# KiCad board Model K Pico-0.2.kicad_pcb (continued)
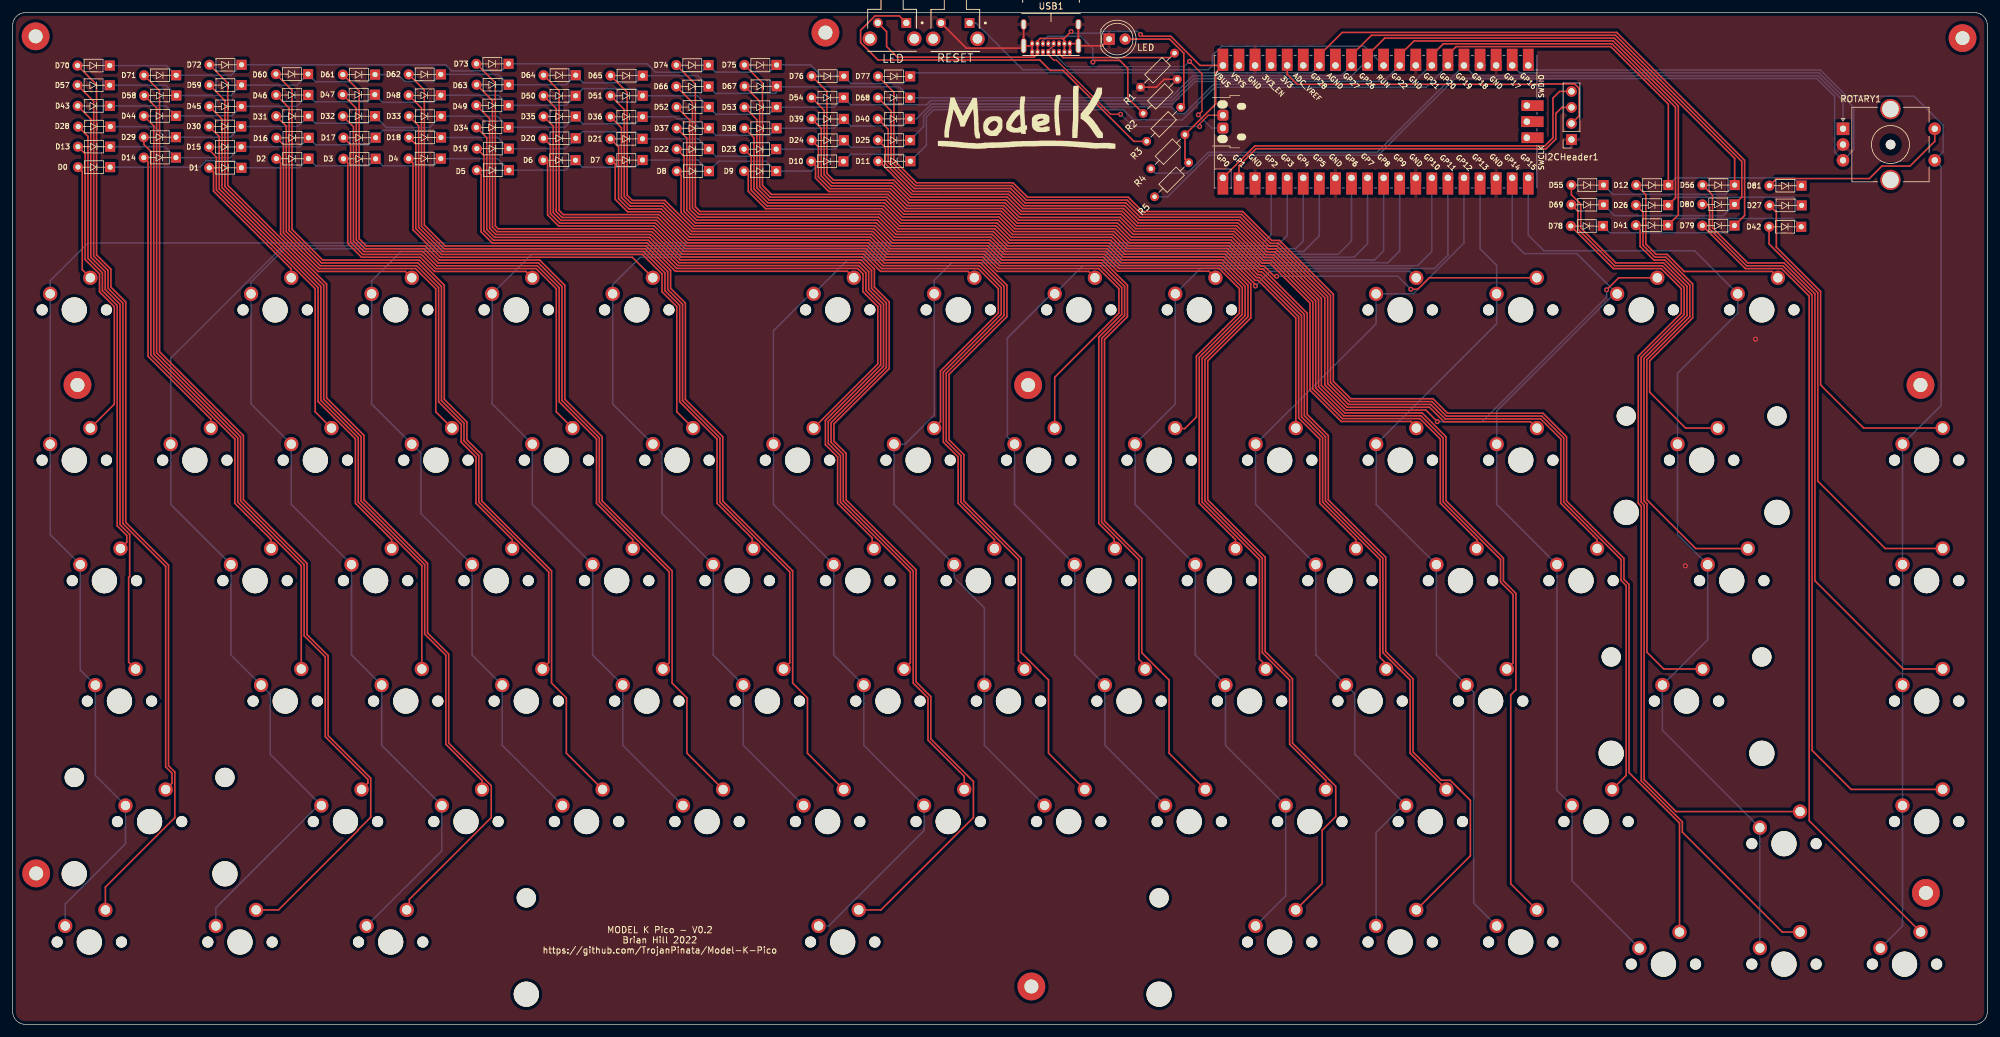
[diagram p0: board, top side]
## Nets (continued)
Net-(D78-Pad2): D78.2 SW-1U-78.2
Net-(D79-Pad2): D79.2 SW-1U-79.2
Net-(D80-Pad2): D80.2 SW-1U-80.2
Net-(PowerLED1-Pad2): LED.2 R3.2
Net-(R1-Pad2): R1.2 USB1.A5
Net-(R2-Pad1): R2.1 USB1.B5
Net-(R3-Pad1): R3.1 SW1.1

Pads without a net: NOREF 1; NOREF#2 1; NOREF#3 1; NOREF#4 1; NOREF#5 1; NOREF#6 1; NOREF#7 1; NOREF#8 1; REF** 1; ROTARY1 MP; RPI1 24 33 35 37 39 41 42 43; SW1 3 4; SW-BUTTON1 3 4; USB1 A8 B8

## Via types
v1: diameter 0.8, hole 0.4, Top to Bottom, 14 vias

## Routing (per net, layer and track width the routed paths; a pad name or vN(x,y) marks a point on that pad's centre or on a via; arc(x,y) is an arc through that point)
/3.3V: length 54.5
  Top w0.25: I2CHeader1.2 247.55,143.67 247.55,148.01 246.84,148.73 241.83,148.73 241.78,148.67 203.02,148.67 201.42,150.26 RPI1.36
GND: length 38.9
  Top w0.25: USB1.A12 161.12,155.1 USB1.B1 160.77,154.76 159.77,154.76 ; 159.77,154.76 159.77,158.14 ; 159.77,154.76 159.4,154.39 150.7,154.39 SW-BUTTON1.2 ; USB1.A1 USB1.B12 168.08,155.11 USB1.S1 ; R1.1 180.74,148.21 181.99,149.46 R2.2 ; USB1.S1 USB1.S1 ; USB1.S1 172.22,154.76 LED.1
  vias: v1(264.34,72.52) v1(275.44,108.36)
VCC: length 83.9
  Top w0.25: v1(178.25,156.55) 178.52,156.27 183.03,156.27 187.65,151.65 RPI1.40 190.12,150.51 190.12,145.55 R4.2 185.27,136.86 R5.2 ; 165.88,155.93 162.39,155.93 161.97,155.51 USB1.B4 161.97,155.1 USB1.A9 161.97,153.53 161.4,152.96 139.81,152.96 138.11,154.66 138.11,157 136.73,158.38 ; 165.88,155.93 166.22,155.59 USB1.B9 166.22,155.1 USB1.A4 ; 165.88,155.93 166.19,155.93 v1(167.27,157.01)
  Bottom w0.25: v1(167.27,157.01) 167.54,156.73 171.75,156.73 172.06,157.05 177.74,157.05 v1(178.25,156.55)
/col0: length 315.9
  Bottom w0.25: RPI1.4 198.88,124.87 197.59,123.58 11.9,123.58 5.93,117.61 SW-1U-0.1 SW-1U-13.1 5.93,77.47 SW-1.5U-28.1 10.69,56.04 SW-1.75U-43.1 13.07,39.37 SW-2.25U-57.1 17.83,28.56 8.31,19.03 SW-1.25U-70.1
/col1: length 300.5
  Bottom w0.25: SW-1.25U-71.1 32.12,18.44 48.29,34.61 SW-1U-58.1 40.71,42.69 40.71,52.22 SW-1U-44.1 34.5,58.43 SW-1U-29.1 24.98,82.23 SW-1U-14.1 24.98,105.36 42.75,123.13 199.81,123.13 201.42,124.74 RPI1.5
/col2: length 298.2
  Bottom w0.25: SW-1.25U-72.1 67.84,27.47 SW-1U-59.1 58.32,44.13 SW-1U-45.1 53.55,58.43 SW-1U-30.1 44.03,82.23 SW-1U-15.1 37.68,98.12 SW-1U-1.1 37.68,117.42 42.94,122.68 202.76,122.68 203.96,123.88 RPI1.6
/col3: length 257.3
  Bottom w0.25: SW-1U-60.1 77.37,44.13 SW-1U-46.1 72.6,58.43 SW-1U-31.1 64.52,80.79 64.52,90.32 SW-1U-16.1 56.73,98.12 SW-1U-2.1 56.73,117.57 61.38,122.23 204.02,122.23 206.5,124.71 RPI1.7
/col4: length 242.7
  Bottom w0.25: RPI1.9 211.58,123.88 209.48,121.78 82.02,121.78 SW-1U-3.1 75.78,98.12 SW-1U-17.1 82.13,82.23 SW-1U-32.1 91.65,58.43 SW-1U-47.1 96.42,44.13 SW-1U-61.1
/col5: length 227.2
  Bottom w0.25: RPI1.10 214.12,123.46 211.99,121.33 99.18,121.33 94.83,116.97 SW-1U-4.1 94.83,98.12 SW-1U-18.1 102.62,90.32 102.62,80.79 SW-1U-33.1 110.7,58.43 SW-1U-48.1 115.47,44.13 SW-1U-62.1
/col6: length 225
  Bottom w0.25: RPI1.11 216.66,122.33 215.21,120.88 131.92,120.88 SW-1U-5.1 126.09,115.54 120.23,109.68 SW-1U-19.1 120.23,82.23 SW-1U-34.1 129.75,58.43 SW-1U-49.1 134.52,44.13 SW-1U-63.1 144.04,30.64 128.96,15.56 SW-6.25U-73.1
/col7: length 183.6
  Bottom w0.25: RPI1.12 219.2,122.31 217.32,120.43 148.39,120.43 145.64,117.67 SW-1U-6.1 145.64,96.36 141.04,91.76 SW-1U-20.1 139.28,82.23 SW-1U-35.1 148.8,70.63 153.57,65.87 SW-1U-50.1 153.57,44.13 SW-1U-64.1
/col8: length 168.7
  Bottom w0.25: SW-1U-65.1 172.62,44.13 SW-1U-51.1 167.85,58.43 SW-1U-36.1 158.33,82.23 SW-1U-21.1 157.21,92.89 157.21,108.56 164.19,115.54 SW-1U-7.1 169.12,119.98 222.03,119.98 224.28,122.23 RPI1.14
/col9: length 172.3
  Bottom w0.25: 196.42,15.56 201.19,20.33 SW-1U-66.1 191.67,44.13 SW-1U-52.1 186.9,58.43 SW-1U-37.1 177.38,82.23 SW-1U-22.1 183.74,98.12 SW-1U-8.1 187.72,119.53 224.69,119.53 226.82,121.66 RPI1.15
/col10: length 147.5
  Bottom w0.25: SW-1U-75.1 215.47,30.34 219.74,34.61 SW-1U-67.1 212.12,42.73 212.12,52.26 SW-1U-53.1 205.95,58.43 SW-1U-38.1 196.43,82.23 196.43,91.76 215.47,110.8 SW-1U-9.1 221.32,115.53 229.36,123.56 RPI1.16
/col11: length 135.2
  Bottom w0.25: SW-1U-76.1 230.89,19.19 230.89,52.54 SW-1U-54.1 225,58.43 SW-1U-39.1 215.48,82.23 SW-1U-24.1 234.52,110.8 SW-1U-10.1 234.52,120.04 231.9,122.65 RPI1.17
/col12: length 151.1
  Bottom w0.25: SW-1U-77.1 246.43,22.7 SW-1.75U-68.1 244.05,36.99 SW-1U-40.1 234.53,82.23 SW-1U-25.1 234.53,96.99 253.07,115.53 SW-1U-11.1 247.2,121.9 238.88,121.9 236.98,123.8 RPI1.19
/col13: length 164.7
  Bottom w0.25: RPI1.20 239.52,124.83 242,122.35 265.8,122.35 SW-1U-12.1 272.62,112.49 263.11,102.98 SW-2U-26.1 263.11,77.48 SW-1.5U-41.1 267.87,60.81 SW-2.25U-55.1 260.72,46.51 SW-1U-69.1 SW-1U-78.1
/col14: length 204.5
  Bottom w0.25: SW-1U-79.1 298.67,15.56 SW-1U-80.1 SW-1U-56.1 SW-1U-42.1 SW-1U-27.1 304.76,97.86 304.76,135.64 ROTARY1.S1 305.08,137.97 305.08,142.19 300.48,146.8 289.83,146.8 285.7,150.93 240.24,150.93 RPI1.21
/D+: length 38.8
  Top w0.2: v1(187.39,143.85) 187.41,143.85 187.96,144.39 187.96,150.32 v1(185.99,152.29)
  Bottom w0.2: v1(185.99,152.29) 185.17,151.47 166.62,151.47 164.52,153.57 USB1.A6 164.52,154.04 163.67,154.9 USB1.B6 ; v1(187.39,143.85) 189.49,141.74 RPI1.TP3
/D-: length 35.4
  Top w0.2: v1(175.09,143.93) 173.51,143.93 164.95,152.49 164.51,152.49 163.67,153.33 USB1.A7 163.67,153.99 164.52,154.83 USB1.B7 ; 191.27,143.78 188.94,143.78 187.58,142.41 v1(187.58,141.99)
  Bottom w0.2: v1(175.09,143.93) 177.03,141.99 v1(187.58,141.99)
/RES: length 31
  Top w0.25: D81.2 278.75,133.76 293.43,133.76 295.41,135.74 299.85,135.74 303.76,139.65 ROTARY1.S2
/RESCLK: length 123.5
  Bottom w0.25: R4.1 180.58,134.61 185.64,134.61 188.94,137.91 215.62,137.91 RPI1.25 230.98,150.03 285.32,150.03 289.26,146.09 ROTARY1.A
/RESDATA: length 192.9
  Bottom w0.25: R5.1 182.55,130.88 189.12,137.46 215.81,137.46 227.92,149.58 285.14,149.58 287.94,146.78 287.94,137.97 ROTARY1.B 290.95,138.33 290.95,145.04 285.51,150.48 238.15,150.48 RPI1.22
/RESET: length 72.2
  Bottom w0.25: RPI1.30 213.61,154.7 191.06,154.7 189.61,153.25 189.61,151.66 188.93,150.98 159.64,150.98 152.25,158.37 SW-BUTTON1.1
/row0: length 306.6
  Top w0.25: RPI1.26 226.82,153.34 228.11,154.63 252.56,154.63 261.66,145.53 D12.1
  Bottom w0.25: D0.1 29.58,135.57 30.6,136.59 35.02,136.59 D1.1 45.31,135.47 D2.1 47.89,135.77 56.24,135.77 D3.1 58.46,135.8 66.54,135.8 D4.1 76.6,136.92 D5.1 87.36,135.09 D6.1 90.05,135.57 98.42,135.57 D7.1 108.29,136.69 D8.1 111.63,136.52 119.08,136.52 D9.1 126.26,134.95 127.8,136.49 D10.1 132.43,137.63 140.74,137.63 D11.1 144.41,139.05 144.41,143.5 145.57,144.66 175.51,144.66 177.12,143.05 184.85,143.05 190.03,148.22 223.39,148.22 RPI1.26 ; D81.1 281.48,133.86 262.79,133.86 D12.1
/row1: length 308.1
  Top w0.25: RPI1.27 224.28,153.26 226.1,155.07 252.75,155.07 262.78,145.04 262.78,130.72 D26.1
  Bottom w0.25: RPI1.27 224.09,151.65 221.11,148.67 189.84,148.67 185.18,144.01 184.17,144.01 183.07,145.11 145.38,145.11 143.96,143.68 143.96,141.98 D25.1 140.7,138.72 132.46,138.72 D24.1 129.95,138.42 D23.1 119.53,137.29 111.15,137.29 D22.1 108.39,140.05 D21.1 98.42,141.17 90.01,141.17 D20.1 87.34,138.5 D19.1 76.67,140.26 D18.1 66.58,141.39 58.52,141.39 D17.1 56.24,139.1 47.88,139.1 D16.1 45.34,138.77 D15.1 34.42,137.08 D14.1 24.07,138.81 D13.1 ; D26.1 262.87,130.81 281.44,130.81 D27.1
/row2: length 309.8
  Top w0.25: RPI1.29 219.2,153.26 221.46,155.52 252.93,155.52 263.23,145.23 263.23,128.01 D41.1
  Bottom w0.25: D42.1 281.35,127.45 262.66,127.45 D41.1 ; RPI1.29 216.67,149.12 186.88,149.12 183.31,145.56 145.2,145.56 142.84,143.2 D40.1 140.68,142.08 132.47,142.08 D39.1 129.88,141.72 D38.1 119.6,140.6 111.16,140.6 D37.1 108.53,141.73 107.04,143.22 105.05,143.22 104.73,143.54 D36.1 98.42,142.41 90.14,142.41 D35.1 87.25,141.86 D34.1 76.6,143.63 D33.1 65.91,141.83 59.06,141.83 D32.1 56.14,142.51 47.86,142.51 D31.1 45.11,142.01 D30.1 34.42,140.31 D29.1 24.1,140.31 22.43,141.98 D28.1
/row3: length 305.1
  Top w0.25: RPI1.31 214.12,153.26 216.83,155.97 253.12,155.97 272.14,136.96 D56.1
  Bottom w0.25: D55.1 252.9,131.25 270.66,131.25 D56.1 ; RPI1.31 213.24,151.65 211.16,149.57 186.69,149.57 183.21,146.09 145.1,146.09 144.42,145.42 132.47,145.42 D54.1 129.82,145.06 D53.1 119.6,143.93 111.15,143.93 D52.1 108.22,146.86 D51.1 98.43,147.99 90.12,147.99 D50.1 87.46,145.33 D49.1 76.76,146.94 D48.1 66.54,145.81 58.45,145.81 D47.1 56.11,145.91 47.79,145.91 D46.1 44.91,145.18 D45.1 34.63,143.66 D44.1 24.23,145.25 D43.1
/row4: length 309.2
  Top w0.25: RPI1.32 211.58,153.26 214.74,156.42 253.31,156.42 273.26,136.47 273.26,130.84 D80.1
  Bottom w0.25: RPI1.32 209.95,150.02 186.53,150.02 186.52,150.03 183.03,146.54 D68.1 140.1,148.27 121.56,148.27 120.53,147.24 111.05,147.24 D66.1 108.25,150.04 D65.1 98.44,148.92 90.18,148.92 D64.1 87.47,148.6 D63.1 76.76,150.24 D62.1 66.54,149.11 62,149.11 60.91,150.21 D61.1 56.13,149.07 47.9,149.07 D60.1 44.95,148.55 D59.1 34.52,146.89 D58.1 24.23,148.53 D57.1 ; D80.1 270.32,127.89 253.13,127.89 D69.1
/row5: length 309.1
  Top w0.25: RPI1.34 206.5,153.26 210.11,156.87 253.49,156.87 273.71,136.65 273.71,127.92 D79.1
  Bottom w0.25: D78.1 252.38,125.2 270.98,125.2 D79.1 ; D70.1 24.3,151.63 D71.1 34.52,150.1 D72.1 68.4,151.76 69.37,150.78 77.24,150.78 D73.1 100.28,151.91 101.6,150.58 108.84,150.58 D74.1 111.06,150.61 119.6,150.61 D75.1 126.09,151.73 127.86,149.96 D76.1 132.51,148.8 140.71,148.8 D77.1 142.4,150.48 191.11,150.48 191.13,150.47 205.32,150.47 RPI1.34
/SCL: length 60.6
  Top w0.25: I2CHeader1.3 244.84,145.01 243.87,144.04 243.87,140.02 242.34,138.48 196.51,138.48 193.8,135.78 RPI1.2
/SDA: length 64.4
  Top w0.25: I2CHeader1.4 244.49,147.55 243.43,146.49 243.43,140.21 242.15,138.93 196.32,138.93 RPI1.1
Net-(D0-Pad2): length 18.3
  Top w0.25: SW-1U-0.2 11,119.35 11,134.9 D0.2
Net-(D1-Pad2): length 22.8
  Top w0.25: D1.2 31.74,134.79 31.74,131.77 44.03,119.48 SW-1U-1.2
Net-(D2-Pad2): length 35.8
  Top w0.25: SW-1U-2.2 62.08,119.07 48.25,119.07 42.34,124.98 42.34,136.23 D2.2
Net-(D3-Pad2): length 45.1
  Top w0.25: D3.2 52.96,136.22 52.96,123.5 55.14,121.32 64.42,121.32 66.67,119.07 81.13,119.07 SW-1U-3.2
Net-(D4-Pad2): length 52.6
  Top w0.25: SW-1U-4.2 97.93,121.32 67.6,121.32 63.26,125.65 63.26,136.25 D4.2
Net-(D5-Pad2): length 71.9
  Top w0.25: D5.2 74.03,134.42 74.03,125.33 75.79,123.57 100.27,123.57 104.74,119.1 131.92,119.1 SW-1U-5.2
Net-(D6-Pad2): length 80.7
  Top w0.25: D6.2 84.23,136.68 84.54,136.36 84.54,128 86.28,126.26 101.39,126.26 105.85,121.8 134.45,121.8 137.16,119.09 150.98,119.09 SW-1U-6.2
Net-(D7-Pad2): length 87.6
  Top w0.25: SW-1U-7.2 171.04,118.12 170.07,119.08 155.58,119.08 153.33,121.33 138.09,121.33 135.38,124.05 106.79,124.05 102.32,128.51 97.19,128.51 95.23,130.47 95.23,136.12 94.66,136.69 D7.2
Net-(D8-Pad2): length 95.6
  Top w0.25: SW-1U-8.2 189.06,119.11 174.6,119.11 172.38,121.33 156.51,121.33 154.26,123.58 139.02,123.58 136.31,126.29 107.72,126.29 105.64,128.37 105.64,134.26 D8.2
Net-(D9-Pad2): length 116.9
  Top w0.25: v1(196.4,116.77) 196.4,117 191.59,121.8 175.72,121.8 173.5,124.03 157.63,124.03 155.37,126.28 140.14,126.28 137.41,129 118.99,129 116.25,131.74 116.25,134.44 115.75,134.95 D9.2
  Bottom w0.25: v1(196.4,116.77) 198.71,119.08 220.8,119.08 SW-1U-9.2
Net-(D10-Pad2): length 125
  Top w0.25: v1(220.96,116.25) 222.05,116.25 223.87,118.07 SW-1U-10.2 ; D10.2 126.88,135.81 126.88,133.82 128.99,131.71 138.52,131.71 141.2,129.03 156.44,129.03 158.74,126.72 174.61,126.72 176.84,124.5 192.71,124.5 193.79,123.42 193.8,123.42 193.8,123.41 197.29,119.92 197.76,119.92 199.36,118.32 v1(199.75,118.32)
  Bottom w0.25: v1(220.96,116.25) 218.89,118.32 v1(199.75,118.32)
Net-(D11-Pad2): length 158.4
  Top w0.25: v1(225.15,95.33) 223.33,97.14 210.71,97.14 206.83,101.03 206.83,114.81 199.47,122.17 198.22,122.17 193.65,126.75 177.82,126.75 175.55,129.02 159.63,129.02 157.37,131.27 142.14,131.27 136.9,136.51 D11.2 ; SW-1U-11.2 253.81,118.07 v1(251.9,116.17)
  Bottom w0.25: v1(225.15,95.33) 232.23,95.33 251.9,115 v1(251.9,116.17)
Net-(D12-Pad2): length 33.1
  Top w0.25: D12.2 258.1,131.21 258.1,123.41 259.73,121.77 261.46,121.77 264.16,119.07 278.08,119.07 278.97,118.18 SW-1U-12.2
Net-(D13-Pad2): length 48.5
  Top w0.25: D13.2 11.45,137.68 11.45,120.95 13.73,118.67 13.73,115.85 16.07,113.51 16.07,98.09 SW-1U-13.2
Net-(D14-Pad2): length 47.2
  Top w0.25: D14.2 21.4,136.4 21.4,105.65 29.8,97.24 29.8,97.24 29.8,97.24 31.33,95.71 31.33,94.3
Net-(D15-Pad2): length 52.5
  Top w0.25: SW-1U-15.2 47.81,96.87 47.81,116.33 32.19,131.95 32.19,137.17 31.03,138.33 D15.2
Net-(D16-Pad2): length 66.3
  Top w0.25: SW-1U-16.2 66.86,96.87 66.86,116.33 63.68,119.52 48.44,119.52 42.79,125.17 42.79,139.11 D16.2
Net-(D17-Pad2): length 75.7
  Top w0.25: D17.2 53.41,139.1 53.41,123.69 55.33,121.77 64.61,121.77 66.85,119.52 82.73,119.52 85.91,116.33 85.91,96.87 SW-1U-17.2
Net-(D18-Pad2): length 83.2
  Top w0.25: SW-1U-18.2 104.96,96.87 104.96,113.51 102.62,115.85 102.62,118.67 99.53,121.77 67.78,121.77 63.71,125.84 63.71,139.17 D18.2
Net-(D19-Pad2): length 105.7
  Top w0.25: SW-1U-19.2 136.72,104.45 136.72,113.52 134.38,115.86 134.38,118.68 133.52,119.55 104.92,119.55 100.46,124.02 75.98,124.02 74.48,125.52 74.48,137.37 D19.2
Net-(D20-Pad2): length 114.3
  Top w0.25: SW-1U-20.2 146.63,95.3 146.63,103.34 155.77,112.48 155.77,116.34 152.58,119.54 137.34,119.54 134.63,122.25 106.04,122.25 101.58,126.71 86.46,126.71 84.99,128.19 84.99,139.04 D20.2
Net-(D21-Pad2): length 121.2
  Top w0.25: SW-1U-21.2 164.68,102.34 174.82,112.48 174.82,116.34 171.64,119.53 155.76,119.53 153.51,121.78 138.28,121.78 135.56,124.5 106.97,124.5 102.51,128.96 97.37,128.96 95.76,130.57 95.76,138.75 D21.2
Net-(D22-Pad2): length 130.4
  Top w0.25: SW-1U-22.2 183.82,94.22 185.24,94.22 187.07,96.05 187.07,105.69 191.28,109.9 191.29,109.9 193.87,112.48 193.87,116.34 190.66,119.56 174.79,119.56 172.57,121.78 156.69,121.78 154.44,124.03 139.21,124.03 136.49,126.74 107.9,126.74 106.09,128.56 106.09,137.27 D22.2
Net-(D23-Pad2): length 118.8
  Top w0.25: D23.2 116.7,137.29 116.7,131.92 119.17,129.45 137.6,129.45 140.32,126.73 155.56,126.73 157.81,124.48 173.68,124.48 175.91,122.25 191.78,122.25 196.37,117.66 196.84,117.66 202.78,111.72 SW-1U-23.2
Net-(D24-Pad2): length 125.4
  Top w0.25: SW-1U-24.2 221.83,94.52 221.01,95.35 209.97,95.35 205.03,100.29 205.03,114.07 198.72,120.37 197.47,120.37 196.68,121.16 196.68,121.17 192.9,124.95 177.08,124.95 174.86,127.17 158.93,127.17 156.63,129.47 141.39,129.47 138.71,132.16 129.18,132.16 127.33,134 127.33,138.76 D24.2
Net-(D25-Pad2): length 132.6
  Top w0.25: SW-1U-25.2 239.88,95.3 226.2,95.3 223.91,97.59 210.9,97.59 207.37,101.13 207.37,114.91 199.65,122.62 198.41,122.62 193.83,127.2 178.01,127.2 175.74,129.47 159.81,129.47 157.56,131.72 142.32,131.72 137.91,136.13 137.91,138.67 D25.2
Net-(D26-Pad2): length 50.2
  Top w0.25: D26.2 257.65,128.45 257.65,123.22 259.55,121.32 261.27,121.32 265.5,117.09 265.5,111.73 258.71,104.93 258.71,99.98 264.39,94.3 SW-2U-26.2
Net-(D27-Pad2): length 53.9
  Top w0.25: D27.2 278.73,128.44 278.73,122.9 285.72,115.91 285.72,101.11 292.53,94.31 SW-1U-27.2
Net-(D28-Pad2): length 70.3
  Top w0.25: SW-1.5U-28.2 18.04,76.25 18.04,77.31 16.52,78.83 16.52,113.69 14.18,116.03 14.18,118.86 11.9,121.14 11.9,140.44 D28.2
Net-(D29-Pad2): length 73.4
  Top w0.25: 40.85,75.25 40.85,76.66 35.12,82.4 35.12,92.56 21.85,105.83 21.85,138.05 20.72,139.18 D29.2
Net-(D30-Pad2): length 78.7
  Top w0.25: D30.2 32.64,140.4 32.64,132.14 48.26,116.52 48.26,98.5 54.17,92.59 54.17,82.4 59.9,76.66 SW-1U-30.2
Net-(D31-Pad2): length 92.8
  Top w0.25: D31.2 43.24,142.04 43.24,125.35 48.63,119.97 63.86,119.97 67.31,116.52 67.31,98.47 70.88,94.9 70.88,92.08 73.22,89.74 73.22,82.4 78.95,76.66 SW-1U-31.2
Net-(D32-Pad2): length 102.1
  Top w0.25: 98,75.25 98,76.66 92.27,82.4 92.27,92.56 86.36,98.47 86.36,116.52 82.91,119.97 67.04,119.97 64.79,122.22 55.51,122.22 53.86,123.87 53.86,141.96 D32.2
Net-(D33-Pad2): length 109.5
  Top w0.25: D33.2 64.16,142.09 64.16,126.03 67.97,122.22 99.71,122.22 103.07,118.86 103.07,116.03 105.41,113.69 105.41,98.47 111.32,92.56 111.32,82.4 116.89,76.82 116.89,75.41 SW-1U-33.2
Net-(D34-Pad2): length 131
  Top w0.25: 136.1,75.25 135.84,75.52 135.84,76.93 130.37,82.4 130.37,89.74 128.44,91.67 128.44,95.53 137.17,104.26 137.17,113.7 134.83,116.04 134.83,118.87 133.7,120 105.11,120 100.64,124.47 76.17,124.47 74.93,125.71 74.93,140.22 D34.2
Net-(D35-Pad2): length 139.9
  Top w0.25: SW-1U-35.2 155.15,76.66 149.42,82.4 149.42,89.74 147.08,92.08 147.08,103.15 156.22,112.3 156.22,116.53 152.77,119.98 137.53,119.98 134.82,122.7 106.23,122.7 101.76,127.16 86.65,127.16 85.44,128.37 85.44,142.04 D35.2
Net-(D36-Pad2): length 142.3
  Top w0.25: SW-1U-36.2 174.09,75.37 174.09,76.78 171.65,79.21 171.65,108.68 175.27,112.3 175.27,116.53 171.82,119.98 155.95,119.98 153.7,122.23 138.46,122.23 135.75,124.94 107.16,124.94 102.69,129.41 97.56,129.41 96.21,130.76 96.21,141.79 D36.2
Net-(D37-Pad2): length 153
  Top w0.25: D37.2 106.54,140.14 106.54,128.74 108.08,127.2 136.67,127.2 139.39,124.48 154.63,124.48 156.88,122.23 172.75,122.23 174.98,120 190.85,120 194.32,116.53 194.32,112.3 187.52,105.49 187.52,82.4 192.83,77.08 192.83,77.08 192.83,77.08 193.25,76.66 SW-1U-37.2
Net-(D38-Pad2): length 145.1
  Top w0.25: D38.2 117.15,140.21 117.15,132.11 119.35,129.91 137.78,129.91 140.51,127.18 155.75,127.18 158,124.92 173.87,124.92 176.09,122.7 191.96,122.7 196.56,118.11 197.03,118.11 203.23,111.91 203.23,95.9 206.57,92.56 206.57,82.4 211.42,77.55 211.42,77.54 212.3,76.66 SW-1U-38.2
Net-(D39-Pad2): length 152.6
  Top w0.25: D39.2 127.78,141.68 127.78,134.19 129.36,132.61 138.89,132.61 141.58,129.92 156.81,129.92 159.12,127.62 175.04,127.62 177.27,125.4 193.09,125.4 197.66,120.83 197.66,120.82 198.91,120.82 205.48,114.25 205.48,100.47 210.16,95.8 222.39,95.8 225.62,92.56 225.62,82.42 230.56,77.49 230.56,77.48 230.56,77.48 231.48,76.56 231.48,75.38 231.35,75.25
Net-(D40-Pad2): length 159.8
  Top w0.25: D40.2 138.36,141.56 138.36,136.32 142.48,132.2 157.72,132.2 160,129.92 175.93,129.92 178.2,127.65 194.02,127.65 198.6,123.07 199.84,123.07 207.81,115.09 207.81,101.32 211.09,98.04 224.09,98.04 226.39,95.75 241.48,95.75 244.67,92.56 244.67,82.4 249.82,77.25 249.82,77.25 249.82,77.25 250.4,76.66 SW-1U-40.2
Net-(D41-Pad2): length 69.9
  Top w0.25: D41.2 257.2,125.71 257.2,123.04 259.37,120.87 261.09,120.87 265.05,116.9 265.05,111.91 258.26,105.12 258.26,82.98 265.98,75.25 SW-1.5U-41.2
Net-(D42-Pad2): length 67.6
  Top w0.25: SW-1U-42.2 295.94,75.26 285.27,85.93 285.27,115.72 277.58,123.42 D42.2
Net-(D43-Pad2): length 93
  Top w0.25: D43.2 12.35,143.19 12.35,121.32 14.63,119.04 14.63,116.22 16.97,113.88 16.97,79.01 18.49,77.49 18.49,70.84 18.33,70.68 18.33,57.29 SW-1.75U-43.2
Net-(D44-Pad2): length 97.8
  Top w0.25: D44.2 22.3,142.1 22.3,106.02 35.57,92.75 35.57,82.58 45.62,72.54 SW-1U-44.2
Net-(D45-Pad2): length 102.9
  Top w0.25: SW-1U-45.2 64.67,72.54 54.62,82.58 54.62,92.78 48.71,98.68 48.71,116.7 33.09,132.33 33.09,143.16 D45.2
Net-(D46-Pad2): length 118
  Top w0.25: D46.2 43.69,144.92 43.69,125.54 48.81,120.42 64.05,120.42 67.76,116.7 67.76,98.65 71.33,95.09 71.33,92.26 73.67,89.92 73.67,82.58 84.71,71.54 84.71,57.2 SW-1U-46.2
Net-(D47-Pad2): length 127.4
  Top w0.25: D47.2 54.31,144.88 54.31,124.06 55.7,122.67 64.98,122.67 67.23,120.42 83.1,120.42 86.81,116.7 86.81,98.65 92.72,92.75 92.72,82.58 103.76,71.54 103.76,57.2 SW-1U-47.2
Net-(D48-Pad2): length 134.7
  Top w0.25: D48.2 64.61,144.91 64.61,126.21 68.16,122.67 99.9,122.67 103.52,119.04 103.52,116.22 105.86,113.88 105.86,98.65 111.77,92.75 111.77,82.58 122.81,71.54 122.81,57.2 SW-1U-48.2
Net-(D49-Pad2): length 156.3
  Top w0.25: D49.2 75.38,143.24 75.38,125.89 76.35,124.91 100.83,124.91 105.3,120.45 133.89,120.45 135.28,119.05 135.28,116.23 137.62,113.89 137.62,104.07 128.89,95.34 128.89,91.85 130.82,89.92 130.82,82.58 141.86,71.54 141.86,57.2 SW-1U-49.2
Net-(D50-Pad2): length 164.2
  Top w0.25: D50.2 85.91,144.84 85.91,128.9 85.89,128.88 85.89,128.56 86.84,127.61 101.95,127.61 106.41,123.15 135,123.15 137.72,120.43 152.95,120.43 156.67,116.71 156.67,112.11 147.53,102.97 147.53,92.26 149.87,89.92 149.87,82.58 158.94,73.51 158.94,57.57 159.92,56.6 SW-1U-50.2
Net-(D51-Pad2): length 166.6
  Top w0.25: SW-1U-51.2 178.97,56.76 177.99,57.74 177.99,73.51 172.1,79.4 172.1,108.49 175.72,112.11 175.72,116.71 172.01,120.43 156.14,120.43 153.88,122.68 138.65,122.68 135.94,125.39 107.34,125.39 102.88,129.86 97.74,129.86 96.66,130.94 96.66,144.68 D51.2
Net-(D52-Pad2): length 177.3
  Top w0.25: D52.2 106.99,143.02 106.99,128.93 108.26,127.65 136.86,127.65 139.58,124.93 154.81,124.93 157.07,122.68 172.94,122.68 175.16,120.45 191.03,120.45 194.77,116.71 194.77,112.11 187.97,105.31 187.97,82.58 197.04,73.51 197.04,57.77 198.02,56.8 SW-1U-52.2
Net-(D53-Pad2): length 169.5
  Top w0.25: D53.2 117.6,143.1 117.6,132.3 119.54,130.36 137.96,130.36 140.65,127.68 155.88,127.68 158.18,125.37 174.06,125.37 176.28,123.15 192.15,123.15 196.74,118.56 197.21,118.56 203.68,112.09 203.68,96.09 207.02,92.75 207.02,82.58 216.09,73.51 216.09,58.03 217.07,57.05 SW-1U-53.2
Net-(D54-Pad2): length 177.7
  Top w0.25: SW-1U-54.2 237.11,57.2 237.11,67.98 235.14,69.95 235.14,73.54 226.07,82.61 226.07,92.75 222.57,96.24 210.34,96.24 205.93,100.66 205.93,114.44 199.09,121.27 197.85,121.27 193.27,125.85 177.45,125.85 175.18,128.12 159.25,128.12 157,130.37 141.76,130.37 139.08,133.06 129.55,133.06 128.23,134.38 128.23,144.57 D54.2
Net-(D55-Pad2): length 98.8
  Top w0.25: D55.2 246.34,131.2 247.81,129.72 247.81,125.96 253.35,120.42 260.9,120.42 264.6,116.72 264.6,112.1 257.81,105.3 257.81,82.79 258.28,82.32 258.28,58.85 260.92,56.2 SW-2.25U-55.2
Net-(D56-Pad2): length 99.3
  Top w0.25: D56.2 268.63,131.16 268.63,125.99 274.2,120.42 279.94,120.42 284.82,115.54 284.82,70.15 298.76,56.21 SW-1U-56.2
Net-(D57-Pad2): length 118
  Top w0.25: D57.2 12.81,145.98 12.81,121.5 15.08,119.23 15.08,116.41 17.42,114.07 17.42,79.2 24.18,72.44 24.18,40.73 25.18,39.73 25.18,38.13 24.19,37.15 SW-2.25U-57.2
Net-(D58-Pad2): length 124.8
  Top w0.25: D58.2 22.75,144.93 22.75,106.21 36.02,92.93 36.02,82.77 46.06,72.72 46.06,61.46 49.4,58.12 49.4,45.47 56.13,38.74 56.13,38.15 SW-1U-58.2
Net-(D59-Pad2): length 129.2
  Top w0.25: D59.2 33.54,146.11 33.54,132.51 49.16,116.89 49.16,98.87 55.07,92.96 55.07,82.77 65.11,72.72 65.11,61.72 68.45,58.38 68.45,44.3 74.19,38.56 SW-1U-59.2
Net-(D60-Pad2): length 143.4
  Top w0.25: SW-1U-60.2 87.5,42.88 87.5,51.64 85.16,53.98 85.16,71.72 74.12,82.77 74.12,90.11 71.78,92.45 71.78,95.27 68.21,98.84 68.21,116.89 64.23,120.87 49,120.87 44.14,125.73 44.14,147.75 D60.2
Net-(D61-Pad2): length 152.7
  Top w0.25: SW-1U-61.2 106.55,42.88 106.55,51.64 104.21,53.98 104.21,71.72 93.17,82.77 93.17,92.93 87.26,98.84 87.26,116.89 83.28,120.87 67.41,120.87 65.16,123.12 55.89,123.12 54.76,124.25 54.76,147.64 D61.2
Net-(D62-Pad2): length 160.2
  Top w0.25: SW-1U-62.2 125.6,42.88 125.6,51.64 123.26,53.98 123.26,71.72 112.22,82.77 112.22,92.93 106.31,98.84 106.31,114.07 103.97,116.41 103.97,119.23 100.09,123.12 68.34,123.12 65.06,126.4 65.06,147.76 D62.2
Net-(D63-Pad2): length 181.7
  Top w0.25: SW-1U-63.2 150.39,39.21 144.65,44.94 144.65,51.64 142.31,53.98 142.31,71.72 131.27,82.77 131.27,90.11 129.34,92.04 129.34,95.15 135.07,100.88 138.07,103.89 138.07,114.08 135.73,116.42 135.73,119.24 134.07,120.9 105.48,120.9 101.02,125.36 76.54,125.36 75.83,126.08 75.83,146.09 D63.2
Net-(D64-Pad2): length 190.5
  Top w0.25: D64.2 86.35,147.66 86.35,128.73 87.02,128.06 102.13,128.06 106.6,123.6 135.19,123.6 137.9,120.88 153.14,120.88 157.12,116.9 157.12,111.92 147.98,102.78 147.98,92.45 150.32,90.11 150.32,82.77 159.39,73.7 159.39,58.78 163.7,54.46 163.7,42.88 SW-1U-64.2
Net-(D65-Pad2): length 192.8
  Top w0.25: SW-1U-65.2 182.75,42.88 182.75,54.46 178.44,58.78 178.44,73.7 172.55,79.58 172.55,108.3 176.17,111.92 176.17,116.9 172.19,120.88 156.32,120.88 154.07,123.13 138.83,123.13 136.12,125.84 107.53,125.84 103.07,130.31 97.93,130.31 97.11,131.13 97.11,147.42 D65.2
Net-(D66-Pad2): length 203.6
  Top w0.25: D66.2 107.44,145.77 107.44,129.12 108.45,128.1 137.04,128.1 139.77,125.38 155,125.38 157.25,123.13 173.12,123.13 175.35,120.9 191.22,120.9 195.22,116.9 195.22,111.92 188.42,105.12 188.42,82.77 197.49,73.7 197.49,58.78 201.8,54.46 201.8,44.3 207.54,38.56 SW-1U-66.2
Net-(D67-Pad2): length 195.7
  Top w0.25: D67.2 118.05,145.98 118.05,132.48 119.72,130.81 138.15,130.81 140.83,128.13 156.07,128.13 158.37,125.82 174.24,125.82 176.46,123.6 192.34,123.6 196.93,119.01 197.4,119.01 204.13,112.28 204.13,96.27 207.47,92.93 207.47,82.77 216.54,73.7 216.54,58.78 220.85,54.46 220.85,42.88 SW-1U-67.2
Net-(D68-Pad2): length 204
  Top w0.25: SW-1.75U-68.2 254.99,39.36 254.99,69.4 254.19,70.21 254.19,73.51 245.12,82.58 245.12,92.75 241.67,96.2 226.57,96.2 224.28,98.49 211.27,98.49 208.26,101.5 208.26,115.28 200.02,123.52 198.78,123.52 194.21,128.1 178.38,128.1 176.11,130.37 160.18,130.37 157.9,132.65 142.67,132.65 138.81,136.5 138.81,144.47 D68.2
Net-(D69-Pad2): length 132.5
  Top w0.25: D69.2 247.36,128.58 247.36,125.77 253.17,119.97 260.72,119.97 264.15,116.53 264.15,112.29 257.36,105.49 257.36,82.6 257.83,82.13 257.83,38.7 262.87,33.65 282.47,33.65
Net-(D70-Pad2): length 144.4
  Top w0.25: SW-1.25U-70.2 14.66,21.72 25.63,32.69 25.63,39.92 24.63,40.92 24.63,72.62 17.87,79.39 17.87,114.25 15.53,116.59 15.53,119.42 13.25,121.69 13.25,148.63 D70.2
Net-(D71-Pad2): length 156.4
  Top w0.25: SW-1.25U-71.2 42.01,18.1 54.54,30.63 54.54,30.7 56.58,32.75 56.58,38.93 49.85,45.66 49.85,58.3 46.51,61.64 46.51,72.91 36.47,82.95 36.47,93.12 23.21,106.38 23.21,147.64 D71.2
Net-(D72-Pad2): length 157.6
  Top w0.25: D72.2 33.99,148.86 33.99,132.7 49.61,117.08 49.61,99.06 55.52,93.15 55.52,82.95 65.56,72.91 65.56,61.91 68.9,58.57 68.9,44.48 75.63,37.75 75.63,32.71 62.69,19.76 62.69,18.51 SW-1.25U-72.2
Net-(D73-Pad2): length 214.2
  Top w0.25: D73.2 75.61,149.58 75.61,149.58 76.28,148.92 76.28,126.26 76.73,125.81 101.2,125.81 105.67,121.35 134.26,121.35 136.18,119.43 136.18,116.6 138.52,114.26 138.52,103.7 129.79,94.97 129.79,92.23 131.72,90.3 131.72,82.95 142.76,71.91 142.76,54.16 145.1,51.82 145.1,45.13 151.83,38.4 151.83,32.71 137.22,18.1 SW-6.25U-73.2
Net-(D74-Pad2): length 229.3
  Top w0.25: SW-1U-74.2 206.96,22.29 206.96,30.72 209.09,32.85 209.09,37.65 202.25,44.48 202.25,54.65 197.94,58.96 197.94,73.88 188.87,82.95 188.87,104.93 195.67,111.74 195.67,117.09 191.41,121.35 175.53,121.35 173.31,123.58 157.44,123.58 155.19,125.83 139.95,125.83 137.23,128.55 108.64,128.55 107.89,129.3 107.89,148.7 D74.2
Net-(D75-Pad2): length 224.1
  Top w0.25: SW-1U-75.2 230.37,26.66 230.37,35.41 227.19,38.6 225.77,38.6 221.3,43.07 221.3,54.65 216.99,58.96 216.99,73.88 207.92,82.95 207.92,93.12 204.58,96.46 204.58,112.47 197.58,119.46 197.11,119.46 192.52,124.05 176.65,124.05 174.43,126.27 158.56,126.27 156.25,128.58 141.02,128.58 138.33,131.26 119.91,131.26 118.5,132.67 118.5,148.87 D75.2
Net-(D76-Pad2): length 221
  Top w0.25: D76.2 128.68,147.55 128.68,134.56 129.74,133.51 139.27,133.51 141.95,130.82 157.19,130.82 159.44,128.57 175.37,128.57 177.64,126.3 193.46,126.3 198.04,121.72 199.28,121.72 206.38,114.62 206.38,100.85 210.53,96.69 222.76,96.69 226.52,92.93 226.52,82.79 235.59,73.72 235.59,70.14 237.56,68.16 237.56,52.91 236.75,52.09 236.75,22.23 SW-1U-76.2
Net-(D77-Pad2): length 232.5
  Top w0.25: SW-1U-77.2 263.42,31.83 255.44,39.81 255.44,69.59 254.64,70.39 254.64,73.7 245.57,82.77 245.57,92.93 241.85,96.65 226.76,96.65 224.47,98.94 211.46,98.94 208.71,101.69 208.71,115.47 200.21,123.97 198.97,123.97 194.39,128.55 178.57,128.55 176.3,130.82 160.37,130.82 158.09,133.1 142.85,133.1 139.26,136.69 139.26,147.42 D77.2
Net-(D78-Pad2): length 138.4
  Top w0.25: 246.24,126.26 252.98,119.52 260.53,119.52 263.7,116.35 263.7,112.47 256.91,105.68 256.91,82.42 257.38,81.95 257.38,38.51 263.87,32.02 263.87,30.4 279.66,14.6 282.47,14.6
Net-(D79-Pad2): length 129.4
  Top w0.25: SW-1U-79.2 283.92,32.2 283.92,115.17 279.57,119.52 273.83,119.52 D79.2
Net-(D80-Pad2): length 120.5
  Top w0.25: D80.2 267.75,129.68 268.18,129.25 268.18,125.8 274.01,119.97 279.75,119.97 284.37,115.35 284.37,43.33 290.54,37.16 SW-1U-80.2
Net-(PowerLED1-Pad2): length 18.9
  Top w0.25: 175.82,155.82 182.84,155.82 185.08,153.58 185.08,145.51 R3.2
Net-(R1-Pad2): length 19
  Top w0.25: 165.37,153.78 165.37,153.54 166.01,152.9 182.92,152.9 R1.2
Net-(R2-Pad1): length 25.9
  Top w0.25: R2.1 176.23,146.51 176.23,151.18 174.96,152.45 170.98,152.45 v1(170.71,152.17)
  Bottom w0.25: v1(170.71,152.17) 170.71,154.32 168.74,156.29 163.59,156.29 162.82,155.51 USB1.B5
Net-(R3-Pad1): length 62.2
  Top w0.25: 141.23,158.38 140.13,159.48 136.27,159.48 134.01,157.21 134.01,155.27 136.76,152.51 162.32,152.51 163.98,150.85 165.99,150.85 177.2,139.64 R3.1

## Copper pours and planes (outline as drawn; the poured copper is in the pictures)
GND on Top: 312.07,0 0,0 0,160.09 312.07,160.09
GND on Bottom: 312.07,0 0,0 0,160.09 312.07,160.09

## Text on the board
